# Altium PCB MyNixie - Release.PcbDoc (part 2 of 2)
Units mm, origin at the board's own origin, x right, y up, seen from the top; angles counter-clockwise.
Board outline 180 x 70 mm, 2 copper layers (Top Layer, Bottom Layer); 216 components, 191 nets, 665 pads, 230 vias.
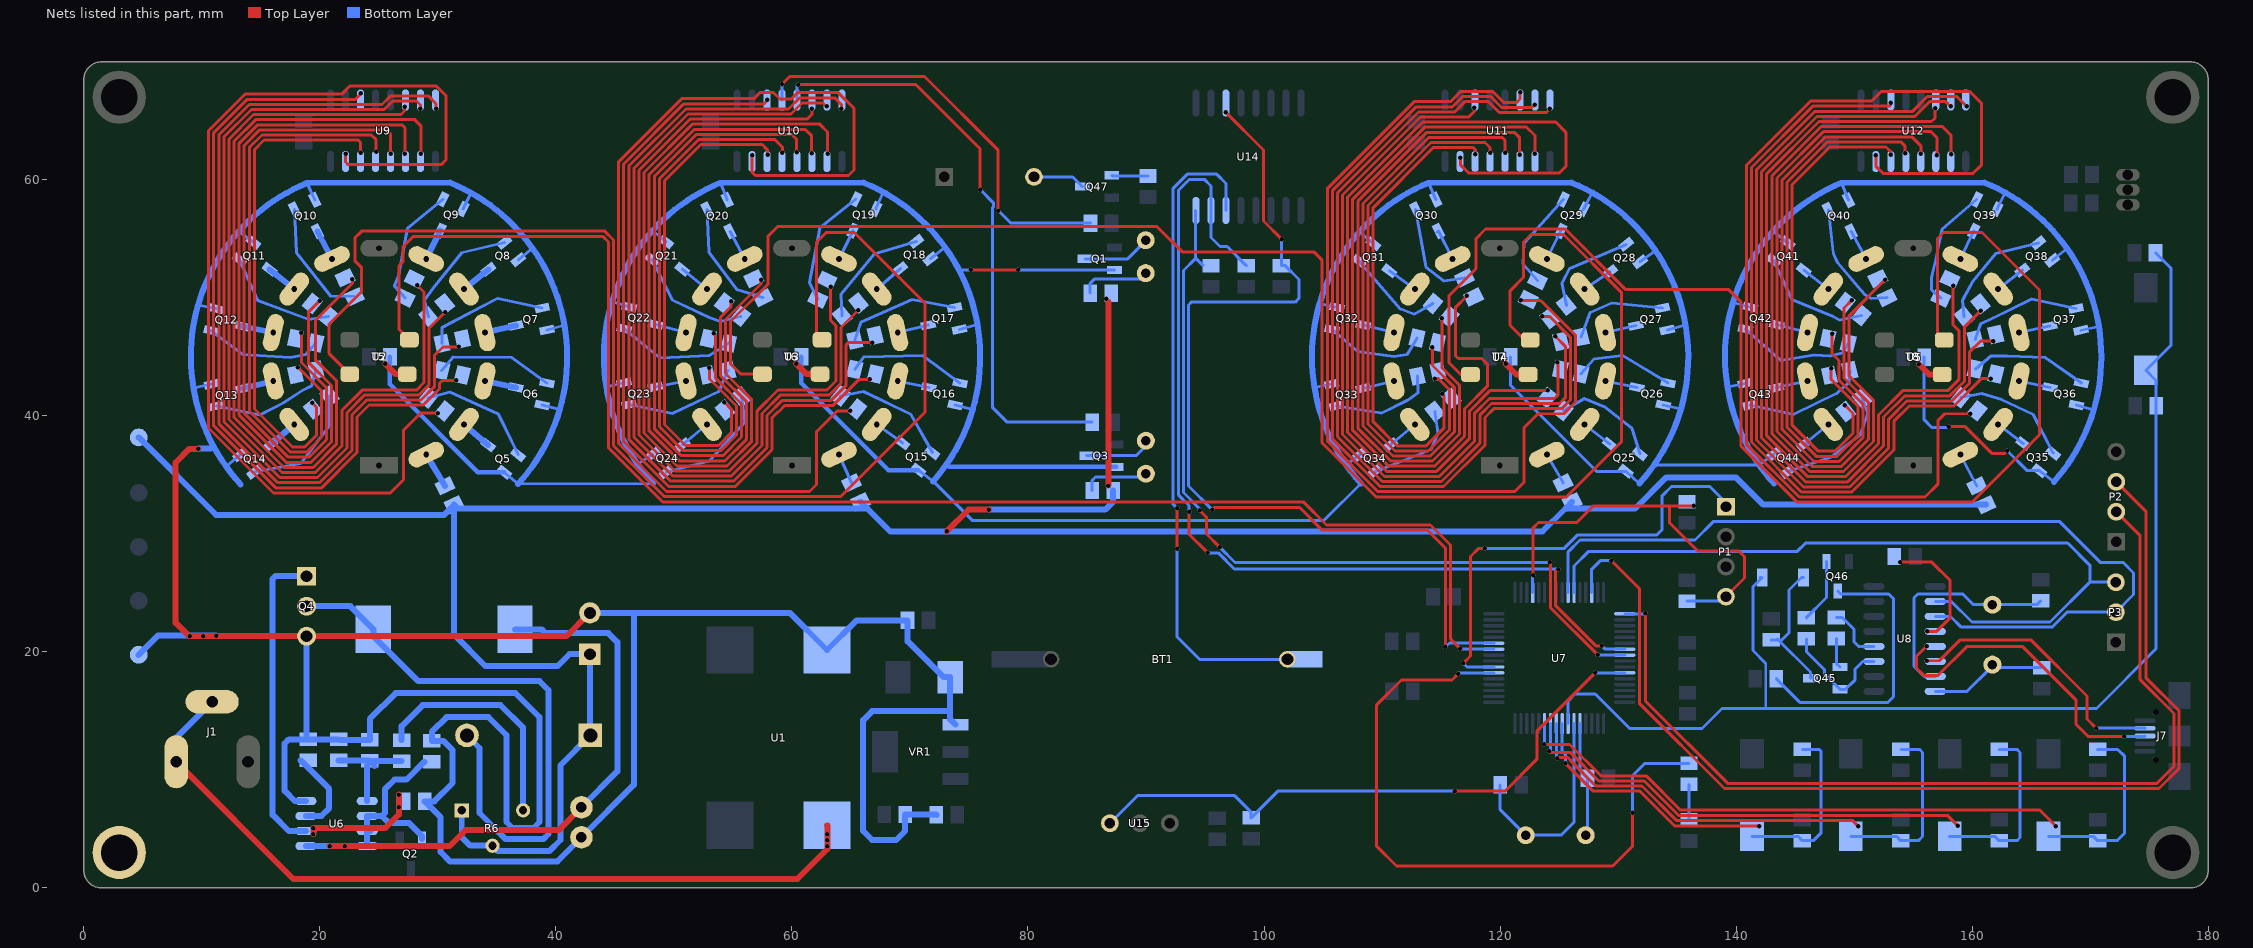
[diagram p2: the nets of this part, all layers, seen from the top]

## Via types
v1: diameter 0.381, hole 0.381, Top Layer to Bottom Layer, 230 vias

## Nets (pads, with @x,y where several pads share a name; then routed paths per layer and width w, separated by ;. In a path a pad name is that pad's centre, name@x,y a point inside that pad or via, vN(x,y) a via of type N, cw(c..) or ccw(c..) an arc to the next point about the centre after c; other vN are vias at no path point) (continued)
GND: C1.1 C2.1 C4.2 C5.2 C6.2 C7.2 C8.1 C9.2 C10.2 C11.1 C12.2 D1.2 GND.1 L2.1 Q1.2 Q3.2 Q4.S Q5.2 Q6.2 Q7.2 Q8.2 Q9.2 Q10.2 Q11.2 Q12.2 Q13.2 Q14.2 Q15.2 Q16.2 Q17.2 Q18.2 Q19.2 Q20.2 Q21.2 Q22.2 Q23.2 Q24.2 Q25.2 Q26.2 Q27.2 Q28.2 Q29.2 Q30.2 Q31.2 Q32.2 Q33.2 Q34.2 Q35.2 Q36.2 Q37.2 Q38.2 Q39.2 Q40.2 Q41.2 Q42.2 Q43.2 Q44.2 R2.1 R8.1 T3.1 U1.4 U2.3 U3.3 U4.3 U5.3 U6.4 VR1.1 | length 754.6
  Top Layer w0.254: v1(75.133,52.375) 75.143,52.365 v1(79.172,52.365) ; v1(158.039,39.091) 159.41,39.091 161.671,36.83 162.789,36.83 v1(162.992,37.033)
  Top Layer w0.508: v1(9.703,37.211) 8.941,37.211 7.785,36.055 7.785,22.466 8.915,21.336 Q4.S@18.872,21.336 40.899,21.336 C10.2@42.875,23.312 ; v1(25.552,44.399) 26.416,43.536 U2.3@27.407,43.536 ; v1(60.35,44.425) 61.239,43.536 U3.3@62.382,43.536 ; v1(120.472,44.425) 121.387,43.51 U4.3@122.377,43.51 ; v1(155.499,44.374) 156.362,43.51 U5.3@157.465,43.51
  Bottom Layer w0.254: 9.282,42.365 Q13.2@10.813,42.685 ; 9.683,49.416 Q12.2@11.21,49.083 ; 12.065,35.712 Q14.2@13.239,36.717 ; 13.121,55.633 Q11.2@14.372,54.71 ; 18.911,59.735 Q10.2@19.567,58.307 ; Q9.2@32.132,57.534 32.814,58.896 ; Q5.2@35.615,35.232 36.803,34.248 48.217,34.278 ; Q8.2@36.825,53.224 38.029,54.192 ; Q6.2@38.828,40.934 40.328,40.559 ; Q7.2@39.251,47.282 40.724,47.681 ; 44.267,42.464 Q23.2@45.763,42.812 ; 44.762,49.678 Q22.2@46.211,49.236 ; 46.926,35.896 Q24.2@48.189,36.743 ; 48.193,55.712 Q21.2@49.348,54.735 ; 53.935,59.744 Q20.2@54.517,58.307 ; Q19.2@67.108,57.534 67.742,58.953 ; Q15.2@70.718,35.409 71.966,34.455 ; Q18.2@71.724,53.3 72.98,54.288 ; 71.966,34.454 75.267,31.153 105.088,31.153 108.213,34.278 ; D1.2@73.127,17.856 D1.2@73.406,17.856 ; Q16.2@73.829,40.934 75.322,40.561 ; Q17.2@74.201,47.333 75.717,47.752 ; 74.254,52.177 74.453,52.375 v1(75.133,52.375) ; v1(79.172,52.365) Q1.2@87.331,52.365 ; 104.27,42.41 Q33.2@105.733,42.711 ; 104.713,49.533 Q32.2@106.181,49.185 ; 106.941,35.867 Q34.2@108.158,36.743 ; 108.08,55.592 Q31.2@109.267,54.583 ; 113.93,59.744 Q30.2@114.563,58.333 ; C6.2@120.905,45.009 120.905,42.569 128.167,35.308 Q25.2@130.662,35.308 131.799,34.273 ; Q29.2@127.077,57.508 127.823,58.914 ; Q28.2@131.872,53.046 133.17,54.008 ; 133.067,35.86 141.949,35.857 Q44.2@143.196,36.768 ; Q26.2@133.824,40.934 135.325,40.587 ; Q27.2@134.17,47.282 135.721,47.698 ; 139.263,42.464 Q43.2@140.77,42.761 ; 139.739,49.615 Q42.2@141.218,49.21 ; 143.142,55.66 Q41.2@144.38,54.659 ; 148.931,59.744 Q40.2@149.524,58.282 ; C7.2@155.942,44.983 155.942,39.663 156.591,39.014 157.963,39.014 v1(158.039,39.091) ; Q39.2@162.089,57.508 162.81,58.922 ; v1(162.992,37.033) 164.666,35.359 Q35.2@165.699,35.359 166.921,34.407 ; Q38.2@166.797,53.173 168.048,54.187 ; Q36.2@168.836,40.934 170.302,40.507 ; Q37.2@169.233,47.256 170.742,47.583
  Bottom Layer w0.381: C5.2@25.934,45.009 25.934,42.671 33.374,35.232 Q5.2@35.615,35.232 ; C4.2@60.809,45.009 60.809,42.773 68.172,35.409 Q15.2@70.718,35.409 ; 73.203,35.814 73.34,35.677 Q3.2@87.478,35.677
  Bottom Layer w0.508: GND.1@4.648,19.761 6.274,21.387 v1(11.201,21.387) ; v1@9.703,37.236 10.784,37.236 10.978,37.431 ; 13.287,34.201 cw(c24.994,45.009) 10.978,37.431 ; U6.4@18.812,7.366 17.882,7.366 17.018,8.23 17.018,12.243 17.375,12.599 C9.2@18.999,12.599 ; Q4.S@18.872,21.336 18.872,12.726 C9.2@18.999,12.599 ; C8.1@21.59,12.599 C9.2@18.999,12.599 ; C8.1@21.641,12.549 R2.1@24.232,12.549 24.232,14.326 26.416,16.51 36.576,16.51 38.608,14.478 38.608,5.588 38.1,5.08 36.322,5.08 35.814,5.588 35.814,12.954 34.29,14.478 30.734,14.478 29.489,13.233 C11.1@29.489,12.472 30.454,12.472 31.242,11.684 31.242,8.89 29.693,7.341 R8.1@28.881,7.341 30.226,5.995 30.226,3.048 31.013,2.261 40.132,2.261 C12.2@42.164,4.293 46.609,8.738 46.609,23.236 46.685,23.312 ; 36.803,34.248 ccw(c24.994,44.983) 40.328,40.559 ccw(c24.994,44.983) 40.724,47.681 ccw(c24.994,44.983) 38.029,54.192 ccw(c24.994,44.983) 32.814,58.896 ccw(c24.994,44.983) 31.018,59.762 18.911,59.735 ccw(c24.994,45.009) 13.121,55.633 ccw(c24.994,45.009) 9.683,49.416 ccw(c24.994,45.009) 9.282,42.365 ccw(c24.994,45.009) 10.978,37.431 ; C10.2@42.875,23.312 46.685,23.312 ; 48.217,34.278 cw(c59.995,45.009) 46.926,35.896 cw(c59.995,45.009) 44.267,42.464 cw(c59.995,45.009) 44.762,49.678 cw(c59.995,45.009) 48.193,55.712 cw(c59.995,45.009) 53.935,59.744 66.05,59.775 ; 66.05,59.775 cw(c59.995,45.009) 72.98,54.288 cw(c59.995,45.009) 74.254,52.177 cw(c59.995,45.009) 75.717,47.752 cw(c59.995,45.009) 75.322,40.561 cw(c59.995,45.009) 71.966,34.454 ; C1.1@72.237,6.198 72.211,6.223 C2.1@69.597,6.223 69.597,4.827 68.834,4.064 66.802,4.064 66.04,4.826 66.04,14.224 66.802,14.986 73.406,14.986 ; D1.2@73.127,17.856 72.847,17.856 69.798,20.905 L2.1@69.798,22.682 65.481,22.682 U1.4@62.967,20.168 59.822,23.312 46.685,23.312 ; D1.2@73.406,17.856 73.406,14.986 ; VR1.1@73.866,13.832 73.406,14.291 73.406,14.986 ; 108.213,34.278 cw(c119.99,45.009) 106.941,35.867 cw(c119.99,45.009) 104.27,42.41 cw(c119.99,45.009) 104.713,49.533 cw(c119.99,45.009) 108.08,55.592 cw(c119.99,45.009) 113.93,59.744 126.044,59.775 ; 126.044,59.775 cw(c119.99,45.009) 127.823,58.914 cw(c119.99,45.009) 133.17,54.008 cw(c119.99,45.009) 135.721,47.698 cw(c119.99,45.009) 135.325,40.587 cw(c119.99,45.009) 133.067,35.86 cw(c119.99,45.009) 131.799,34.273 ; 143.23,34.26 cw(c154.991,45.009) 139.263,42.464 cw(c154.991,45.009) 139.739,49.615 cw(c154.991,45.009) 143.142,55.66 cw(c154.991,45.009) 148.931,59.744 161.046,59.775 ; 161.046,59.775 cw(c154.991,45.009) 162.81,58.922 cw(c154.991,45.009) 168.048,54.187 cw(c154.991,45.009) 170.742,47.583 cw(c154.991,45.009) 170.302,40.507 cw(c154.991,45.009) 166.921,34.407
  other v1: 8.966,21.336 10.135,21.336
HX1838: R71.1 U7.59 U15.1 | length 52.2
  Top Layer w0.254: v1(116.154,8.204) 120.421,8.204 123.114,10.897 123.114,13.273 v1(128.072,18.232)
  Bottom Layer w0.254: U15.1@86.944,5.486 89.281,7.823 97.511,7.823 98.908,6.426 R71.1@98.908,5.945 101.167,8.204 v1(116.154,8.204) ; v1@128.041,18.263 v1(128.072,18.232) U7.59@130.569,18.232
INT#/SQW: R69.1 U7.27 U14.3 | length 80.3
  Top Layer w0.254: v1(95.606,32.055) 95.783,32.233 103.022,32.233 104.94,30.315 113.855,30.315 115.367,28.804 v1(115.367,20.422) ; v1(96.749,65.735) 99.949,62.535 99.949,56.515 v1(101.498,54.966)
  Bottom Layer w0.254: v1(95.606,32.055) 93.6,34.06 93.6,49.404 93.828,49.632 102.641,49.632 102.972,49.962 102.972,51.562 101.802,52.731 R69.1@101.473,52.731 101.498,52.757 v1(101.498,54.966) ; v1(115.367,20.422) 115.71,20.764 119.469,20.764 U7.27@119.469,20.732
KEY1: C27.2 R65.2 S2.2 U7.8 | length 37
  Top Layer w0.254: v1(125.527,10.566) 127.889,8.204 131.851,8.204 134.823,5.232 v1(141.961,5.232)
  Bottom Layer w0.254: U7.8@125.269,13.932 125.269,11.586 125.527,11.328 v1(125.527,10.566) ; S2.2@141.351,4.379 145.247,4.379 C27.2@145.618,4.008 146.547,4.008 147.213,4.674 147.213,11.563 147.025,11.751 R65.2@145.618,11.751
KEY2: C28.2 R66.2 S3.2 U7.9 | length 46.4
  Top Layer w0.254: v1(124.841,10.973) 124.93,11.062 125.732,11.062 126.022,10.772 126.022,10.731 128.118,8.636 132.03,8.636 134.939,5.728 149.847,5.728 v1(150.343,5.232)
  Bottom Layer w0.254: U7.9@124.769,13.932 124.769,11.045 v1(124.841,10.973) ; S3.2@149.725,4.379 153.586,4.379 C28.2@153.958,4.008 155.442,4.008 155.804,4.369 155.804,11.481 155.534,11.751 R66.2@153.958,11.751
KEY3: C29.2 R67.2 S4.2 U7.10 | length 54.9
  Top Layer w0.254: v1(124.181,11.582) 124.269,11.493 125.945,11.493 128.371,9.068 132.209,9.068 135.117,6.159 157.899,6.159 v1(158.775,5.283)
  Bottom Layer w0.254: v1(124.181,11.582) 124.269,11.671 U7.10@124.269,13.932 ; S4.2@158.098,4.379 161.926,4.379 C29.2@162.298,4.008 163.799,4.008 164.059,4.267 164.059,11.481 163.789,11.751 R67.2@162.298,11.751
KEY4: C30.2 R68.2 S5.2 U7.11 | length 63.9
  Top Layer w0.254: v1(123.749,12.167) 125.882,12.167 128.549,9.5 132.388,9.5 135.296,6.591 165.748,6.591 v1(167.107,5.232)
  Bottom Layer w0.254: v1(123.749,12.167) 123.769,12.187 U7.11@123.769,13.932 ; S5.2@166.472,4.379 170.266,4.379 C30.2@170.637,4.008 172.283,4.008 172.923,4.648 172.923,11.151 172.364,11.709 172.314,11.709 172.272,11.751 R68.2@170.637,11.751
LAMP: P1.1 U7.23 | length 38.7
  Top Layer w0.254: v1(116.891,19.05) 117.5,19.66 117.5,28.092 118.186,28.778 v1(118.694,28.778)
  Bottom Layer w0.254: v1(116.891,19.05) 117.209,18.732 U7.23@119.469,18.732 ; v1(118.694,28.778) 125.45,28.778 126.593,29.921 133.299,29.921 133.706,30.328 133.706,33.198 134.518,34.011 137.77,34.011 139.141,32.639 P1.1@139.141,32.309
LED_DEBUG: R10.2 U7.22 | length 57.3
  Top Layer w0.254: v1(116.459,18.161) 115.926,17.628 111.658,17.628 109.55,15.519 109.55,3.531 111.227,1.854 129.54,1.854 131.242,3.556 v1(131.242,6.375)
  Bottom Layer w0.254: v1(116.459,18.161) 116.53,18.232 U7.22@119.469,18.232 ; v1(131.242,6.375) 131.242,9.525 132.284,10.567 R10.2@136.017,10.567
METALKEY: C3.2 P1.4 R1.2 U7.36 | length 36.4
  Top Layer w0.254: v1(122.809,26.518) 122.809,30.527 123.257,30.975 126.509,30.975 127.92,32.385 134.341,32.385 ; v1(136.423,32.385) 134.341,32.385 ; P1.4@139.141,24.689 140.716,26.264 140.716,28.067 140.233,28.55 136.754,28.55 134.341,30.963 134.341,32.385
  Bottom Layer w0.254: U7.36@122.769,25.032 122.769,26.477 v1(122.809,26.518) ; C3.2@135.839,24.299 138.751,24.299 P1.4@139.141,24.689
NetBT1_1: BT1.1 U14.14 | length 55.8
  Top Layer w0.254: v1(92.634,28.727) v1(92.634,32.182)
  Bottom Layer w0.254: v1(92.634,28.727) 92.634,21.285 94.539,19.38 BT1.1@101.981,19.38 ; v1(92.634,32.182) 92.305,32.511 92.305,59.285 93.497,60.477 95.987,60.477 96.774,59.69 U14.14@96.774,57.41
NetC8_2: C8.2 R2.2 R3.1 U6.5 | length 8.9
  Bottom Layer w0.508: C8.2@21.59,10.819 24.181,10.819 R2.2@24.232,10.769 R2.2@24.257,10.743 ; U6.5@24.012,7.366 R2.2@24.012,10.353 ; R2.2@24.647,10.353 R2.2@24.257,10.743 ; R3.1@26.924,10.743 R2.2@24.257,10.743
NetC9_1: C9.1 U6.3 | length 7.3
  Bottom Layer w0.508: C9.1@18.364,10.819 20.777,8.406 20.777,6.756 20.117,6.096 U6.3@18.812,6.096
NetC11_2: C11.2 C12.1 L1.1 Q2.2 U6.1 U6.6 U6.7 U6.8 | length 67.3
  Top Layer w0.508: v1(20.828,3.556) v1(22.098,3.556) 30.988,3.556 32.334,4.902 40.234,4.902 C12.1@42.164,6.833
  Bottom Layer w0.508: U6.1@18.812,3.556 v1(20.828,3.556) ; v1(22.098,3.556) U6.8@24.012,3.556 ; U6.7@24.308,4.826 U6.7@24.012,4.826 ; 25.197,3.556 U6.8@24.012,3.556 ; Q2.2@28.661,4.146 28.661,4.384 27.534,5.512 25.832,5.512 25.248,6.096 ; C11.2@28.854,10.692 27.357,9.195 26.34,9.195 25.502,8.357 25.502,6.35 25.248,6.096 ; L1.1@36.531,21.92 38.786,21.92 39.116,21.59 44.45,21.59 45.212,20.828 45.212,9.881 C12.1@42.164,6.833 ; U6.8@24.012,3.556 U6.7@24.012,4.826 ; U6.7@24.012,4.826 U6.6@24.012,6.096 25.248,6.096
NetC13_2: C13.2 U7.5 Y1.1 | length 9.8
  Bottom Layer w0.254: U7.5@126.769,13.932 126.769,9.933 C13.2@127.405,9.296 127.405,4.622 Y1.1@127.254,4.47
NetC14_2: C14.2 U7.6 Y1.2 | length 18.1
  Bottom Layer w0.254: C14.2@120.014,8.738 120.014,6.63 Y1.2@122.174,4.47 125.171,4.47 126.269,5.568 U7.6@126.269,13.932
NetC23_1: C23.1 U8.4 | length 10.4
  Top Layer w0.254: v1(153.924,27.61) 156.591,27.61 158.115,26.086 158.115,22.86 156.997,21.742 v1(156.21,21.742)
NetC24_1: C24.1 U8.7 Y2.1 | length 19.4
  Bottom Layer w0.254: U8.7@156.88,17.932 155.931,17.932 155.067,18.796 155.067,24.587 155.397,24.917 159.207,24.917 160.122,24.003 Y2.1@161.722,24.003 165.482,24.003 C24.1@165.811,24.332
NetC25_1: C25.1 U8.8 Y2.2 | length 9.8
  Bottom Layer w0.254: U8.8@156.88,16.662 159.563,16.662 161.57,18.67 C25.1@165.887,18.67
NetD2_1: D2.1 L1.2 Q4.D | length 49.9
  Bottom Layer w0.508: Q4.D@18.872,23.876 22.575,23.876 L1.2@24.531,21.92 24.531,21.336 28.341,17.526 38.608,17.526 39.37,16.764 39.37,4.572 38.964,4.166 35.712,4.166 33.528,6.35 33.528,11.864 D2.1@32.464,12.929
NetD3_K: D3.K R10.1 | length 3
  Bottom Layer w0.254: D3.K@136.017,5.767 R10.1@136.017,8.787
NetD4_2: D4.2 Q45.3 R16.1 | length 11.5
  Bottom Layer w0.254: R16.1@142.977,21.03 R16.1@143.561,21.03 ; R16.1@143.485,21.106 R16.1@143.561,21.03 ; D4.2@145.717,26.314 145.542,26.314 144.475,25.248 144.475,21.615 143.89,21.03 R16.1@143.561,21.03 ; Q45.3@146.299,17.78 146.299,18.292 R16.1@143.561,21.03
NetJ1_2: J1.2 J1.3 U1.1 | length 68.7
  Top Layer w0.508: J1.2@7.823,10.693 17.755,0.762 60.452,0.762 62.992,3.302 62.992,5.283 62.967,5.309
  Bottom Layer w0.508: J1.2@7.823,10.693 7.823,12.725 J1.3@10.871,15.773
  other v1: 62.992,3.556 62.992,4.064 62.992,4.572
NetJ8_2: J8.2 Q47.3 | length 4.5
  Bottom Layer w0.254: J8.2@80.533,60.223 J8.2@80.508,60.249 83.789,60.249 Q47.3@84.602,59.436
NetQ1_3: Q1.3 UP1.2 | length 5.8
  Bottom Layer w0.254: Q1.3@84.831,53.315 88.443,53.315 89.972,54.844 UP1.2@89.972,54.889
NetQ3_3: Q3.3 UP2.2 | length 5.8
  Bottom Layer w0.254: Q3.3@84.978,36.627 89.154,36.627 89.992,37.465 UP2.2@89.992,37.897
NetQ4_G: Q4.G R8.2 U6.2 | length 36.2
  Top Layer w0.508: v1(19.456,4.572) v1(19.456,5.08) 25.552,5.08 26.695,6.223 v1(26.695,7.899)
  Bottom Layer w0.508: U6.2@18.812,4.826 17.374,4.826 16.002,6.198 16.002,26.187 16.231,26.416 Q4.G@18.872,26.416
  other v1: 26.67,6.858
NetQ5_3: Q5.3 T5.3 | length 2.7
  Bottom Layer w0.508: T5.3@32.212,39.273 Q5.3@34.253,37.533
NetQ6_3: Q6.3 T5.4 | length 2.7
  Bottom Layer w0.508: T5.4@33.988,42.962 Q6.3@36.602,42.417
NetQ7_3: Q7.3 T5.5 | length 2.7
  Bottom Layer w0.508: T5.5@33.988,47.056 Q7.3@36.602,47.652
NetQ8_3: Q8.3 T5.6 | length 2.7
  Bottom Layer w0.508: T5.6@32.212,50.745 Q8.3@34.278,52.408
NetQ9_3: Q9.3 T5.7 | length 2.7
  Bottom Layer w0.508: T5.7@29.011,53.298 Q9.3@30.192,55.694
NetQ10_3: Q10.3 T5.9 | length 2.6
  Bottom Layer w0.508: Q10.3@19.796,55.643 T5.9@21.027,53.298
NetQ11_3: Q11.3 T5.10 | length 2.7
  Bottom Layer w0.508: Q11.3@15.735,52.408 T5.10@17.826,50.745
NetQ12_3: Q12.3 T5.11 | length 2.7
  Bottom Layer w0.508: Q12.3@13.436,47.601 T5.11@16.05,47.056
NetQ13_3: Q13.3 T5.12 | length 2.7
  Bottom Layer w0.508: Q13.3@13.461,42.315 T5.12@16.05,42.962
NetQ14_3: Q14.3 T5.13 | length 2.7
  Bottom Layer w0.508: Q14.3@15.786,37.533 T5.13@17.826,39.273
NetQ15_3: Q15.3 T6.3 | length 2.7
  Bottom Layer w0.254: T6.3@67.186,39.273 Q15.3@69.355,37.711
NetQ16_3: Q16.3 T6.4 | length 2.7
  Bottom Layer w0.254: T6.4@68.963,42.962 Q16.3@71.603,42.417
NetQ17_3: Q17.3 T6.5 | length 2.7
  Bottom Layer w0.254: T6.5@68.963,47.056 Q17.3@71.552,47.702
NetQ18_3: Q18.3 T6.6 | length 2.6
  Bottom Layer w0.254: T6.6@67.186,50.745 Q18.3@69.177,52.484
NetQ19_3: Q19.3 T6.7 | length 2.7
  Bottom Layer w0.254: T6.7@63.985,53.298 Q19.3@65.167,55.694
NetQ20_3: Q20.3 T6.9 | length 2.7
  Bottom Layer w0.254: Q20.3@54.746,55.643 T6.9@56.002,53.298
NetQ21_3: Q21.3 T6.10 | length 2.7
  Bottom Layer w0.254: Q21.3@50.71,52.434 T6.10@52.801,50.745
NetQ22_3: Q22.3 T6.11 | length 2.7
  Bottom Layer w0.254: Q22.3@48.437,47.753 T6.11@51.024,47.056
NetQ23_3: Q23.3 T6.12 | length 2.7
  Bottom Layer w0.254: Q23.3@48.412,42.442 T6.12@51.024,42.962
NetQ24_3: Q24.3 T6.13 | length 2.7
  Bottom Layer w0.254: Q24.3@50.736,37.559 T6.13@52.801,39.273
NetQ25_3: Q25.3 T7.3 | length 2.7
  Bottom Layer w0.254: T7.3@127.169,39.273 Q25.3@129.299,37.609
NetQ26_3: Q26.3 T7.4 | length 2.7
  Bottom Layer w0.254: T7.4@128.945,42.962 Q26.3@131.598,42.417
NetQ27_3: Q27.3 T7.5 | length 2.6
  Bottom Layer w0.254: T7.5@128.945,47.056 Q27.3@131.522,47.652
NetQ28_3: Q28.3 T7.6 | length 2.6
  Bottom Layer w0.254: T7.6@127.169,50.745 Q28.3@129.325,52.23
NetQ29_3: Q29.3 T7.7 | length 2.6
  Bottom Layer w0.254: T7.7@123.968,53.298 Q29.3@125.137,55.668
NetQ30_3: Q30.3 T7.9 | length 2.7
  Bottom Layer w0.254: Q30.3@114.639,55.592 Q30.3@114.645,55.582 ; Q30.3@114.792,55.668 T7.9@115.984,53.298
NetQ31_3: Q31.3 T7.10 | length 2.6
  Bottom Layer w0.254: Q31.3@110.629,52.281 T7.10@112.783,50.745
NetQ32_3: Q32.3 T7.11 | length 2.7
  Bottom Layer w0.254: Q32.3@108.407,47.702 T7.11@111.006,47.056
NetQ33_3: Q33.3 T7.12 | length 2.7
  Bottom Layer w0.254: Q33.3@108.381,42.34 T7.12@111.006,42.962
NetQ34_3: Q34.3 T7.13 | length 2.7
  Bottom Layer w0.254: Q34.3@110.705,37.559 T7.13@112.783,39.273
NetQ35_3: Q35.3 T8.3 | length 2.7
  Bottom Layer w0.254: T8.3@162.205,39.273 Q35.3@164.336,37.66
NetQ36_3: Q36.3 T8.4 | length 2.7
  Bottom Layer w0.254: T8.4@163.981,42.962 Q36.3@166.61,42.417
NetQ37_3: Q37.3 T8.5 | length 2.7
  Bottom Layer w0.254: T8.5@163.981,47.056 Q37.3@166.584,47.626
NetQ38_3: Q38.3 T8.6 | length 2.6
  Bottom Layer w0.254: T8.6@162.205,50.745 Q38.3@164.25,52.357
NetQ39_3: Q39.3 T8.7 | length 2.6
  Bottom Layer w0.254: T8.7@159.003,53.298 Q39.3@160.149,55.668
NetQ40_3: Q40.3 T8.9 | length 2.6
  Bottom Layer w0.254: Q40.3@149.752,55.617 T8.9@151.02,53.298
NetQ41_3: Q41.3 T8.10 | length 2.6
  Bottom Layer w0.254: Q41.3@145.742,52.357 T8.10@147.819,50.745
NetQ42_3: Q42.3 T8.11 | length 2.7
  Bottom Layer w0.254: Q42.3@143.444,47.728 T8.11@146.042,47.056
NetQ43_3: Q43.3 T8.12 | length 2.8
  Bottom Layer w0.254: Q43.3@143.418,42.391 143.383,42.418 143.412,42.424 T8.12@146.042,42.962
NetQ44_3: Q44.3 T8.13 | length 3.1
  Bottom Layer w0.254: Q44.3@146.13,37.584 Q44.3@145.742,37.584 T8.13@147.819,39.273
NetQ45_1: Q45.1 R17.2 | length 2.5
  Bottom Layer w0.254: R17.2@148.488,21.132 148.488,19.04 Q45.1@148.799,18.73
NetQ45_2: Q45.2 R30.1 U8.11 | length 9.9
  Bottom Layer w0.254: R30.1@145.948,21.106 145.948,20.041 147.472,18.517 147.472,18.156 Q45.2@148.799,16.83 149.281,16.83 150.063,17.612 150.063,18.517 150.749,19.202 U8.11@151.68,19.202
NetQ46_1: Q46.1 R30.2 | length 5.5
  Bottom Layer w0.254: R30.2@145.948,22.886 147.665,24.603 Q46.1@147.665,27.666
NetQ46_3: Q46.3 R61.2 | length 24.3
  Bottom Layer w0.254: R61.2@143.409,17.729 145.441,15.697 152.832,15.697 153.34,16.205 153.34,24.511 152.933,24.917 148.864,24.917 Q46.3@148.615,25.166
NetQ47_1: Q47.1 R70.2 | length 3.1
  Bottom Layer w0.254: Q47.1@87.102,60.386 87.162,60.326 R70.2@90.17,60.326
NetR3_2: R3.2 R6.3 | length 20
  Bottom Layer w0.508: R3.2@26.924,12.523 26.924,13.716 28.702,15.494 35.306,15.494 37.22,13.58 R6.3@37.22,6.579
NetR4_1: R4.1 UP1.1 | length 5.9
  Bottom Layer w0.254: R4.1@85.267,50.394 85.267,51.231 85.623,51.587 89.464,51.587 UP1.1@89.972,52.095
NetR5_1: R5.1 T6.2 | length 2.6
  Bottom Layer w0.254: T6.2@63.985,36.72 R5.1@65.044,34.33
NetR7_1: R7.1 T5.2 | length 3.1
  Bottom Layer w0.508: T5.2@29.011,36.72 R7.1@30.602,34.076
NetR9_1: R9.1 UP2.1 | length 5.6
  Bottom Layer w0.254: R9.1@85.445,33.68 85.445,34.543 85.725,34.823 89.713,34.823 UP2.1@89.992,35.103
NetR12_1: R12.1 T7.2 | length 2.8
  Bottom Layer w0.254: T7.2@123.968,36.72 R12.1@125.344,34.33
NetR13_1: R13.1 T8.2 | length 3
  Bottom Layer w0.254: T8.2@159.003,36.72 R13.1@160.396,34.076
NetR17_1: R17.1 U8.12 | length 4.8
  Bottom Layer w0.254: R17.1@148.488,22.912 148.995,22.912 149.987,21.92 149.987,20.853 150.368,20.472 U8.12@151.68,20.472
NetR18_1: R18.1 U9.15 | length 89.1
  Top Layer w0.254: v1(22.174,62.205) 22.174,61.519 22.403,61.29 30.277,61.29 30.683,61.697 30.683,67.132 29.845,67.97 22.555,67.97 21.844,67.259 13.66,67.259 10.566,64.166 10.566,38.984 16.073,33.477 25.959,33.477 27.076,34.595 27.076,38.786 28.524,40.234 v1(29.972,40.234)
NetR19_1: R19.1 U10.15 | length 89.6
  Top Layer w0.254: v1(56.617,62.103) 56.617,60.655 56.896,60.376 64.795,60.376 65.253,60.833 65.253,66.065 63.932,67.386 60.476,67.386 59.943,66.853 58.979,66.853 58.445,67.386 57.277,67.386 56.769,66.878 50.663,66.878 45.314,61.528 45.314,37.659 49.368,33.604 61.493,33.604 62.078,34.188 62.078,38.659 63.856,40.437 v1(64.948,40.437)
NetR20_1: R20.1 U11.15 | length 76.9
  Top Layer w0.254: v1(116.637,61.874) 116.637,61.29 117.348,60.579 125.019,60.579 125.578,61.138 125.578,64.033 124.714,64.897 113.442,64.897 107.086,58.542 107.086,38.603 110.383,35.306 114.63,35.306 117.424,38.1 117.424,40.41 119.178,42.164 v1(124.028,42.164)
NetR21_1: R21.1 U12.15 | length 89.1
  Top Layer w0.254: v1(151.841,62.103) 151.841,61.163 152.451,60.554 160.071,60.554 160.807,61.29 160.807,66.472 159.791,67.488 152.298,67.488 151.486,66.675 146.32,66.675 140.868,61.224 140.868,37.608 145.355,33.122 156.007,33.122 157.099,34.214 157.099,39.599 157.683,40.183 v1(159.842,40.183)
NetR22_2: R22.2 U9.3 | length 67.3
  Top Layer w0.254: v1(23.47,67.361) 23.47,67.285 23.012,66.827 13.839,66.827 10.998,63.987 10.998,39.163 16.252,33.909 20.146,33.909 23.152,36.915 23.152,39.913 24.159,40.919 28.756,40.919 30.124,42.288 30.124,42.748 30.378,43.002 v1(31.572,43.002)
NetR23_1: R23.1 U9.14 | length 42.1
  Top Layer w0.254: v1(19.355,41.097) 19.698,40.754 19.698,38.346 18.716,37.363 17.683,37.363 14.453,40.593 14.453,62.556 15.27,63.373 23.241,63.373 23.444,63.17 v1(23.444,62.281)
NetR24_2: R24.2 U10.3 | length 65.7
  Top Layer w0.254: v1(57.912,66.777) 57.912,66.726 57.633,66.446 50.842,66.446 45.745,61.349 45.745,37.838 49.547,34.036 55.221,34.036 58.318,37.134 58.318,39.849 58.804,40.335 58.852,40.335 59.411,40.894 63.503,40.894 65.713,43.104 v1(66.573,43.104)
NetR25_1: R25.1 U10.14 | length 40.9
  Top Layer w0.254: v1(54.28,41.148) 54.864,40.564 54.864,38.565 53.79,37.49 50.978,37.49 49.2,39.268 49.2,59.919 52.273,62.992 57.48,62.992 57.912,62.56 57.912,62.154 v1(57.937,62.128)
NetR26_2: R26.2 U11.3 | length 61.4
  Top Layer w0.254: v1(117.831,66.091) 117.831,65.811 117.348,65.329 113.263,65.329 106.655,58.721 106.655,38.424 110.204,34.874 114.858,34.874 117.856,37.872 117.856,40.231 119.103,41.478 124.612,41.478 124.892,41.758 124.892,44.501 v1(124.866,44.526)
NetR27_1: R27.1 U11.14 | length 39.8
  Top Layer w0.254: v1(115.113,41.859) 115.265,41.707 115.265,38.994 113.736,37.465 111.277,37.465 109.245,39.497 109.245,57.647 114.336,62.738 117.729,62.738 117.907,62.56 v1(117.907,62.179)
NetR28_2: R28.2 U12.3 | length 64.8
  Top Layer w0.254: v1(153.086,66.523) 153.086,66.345 152.984,66.243 146.499,66.243 141.3,61.045 141.3,37.787 145.534,33.553 149.81,33.553 153.365,37.108 153.365,39.545 154.664,40.843 158.474,40.843 160.785,43.155 v1(161.569,43.155)
NetR29_1: R29.1 U12.14 | length 39.9
  Top Layer w0.254: v1(149.2,40.919) 149.911,40.208 149.911,38.539 148.379,37.008 146.964,37.008 144.755,39.218 144.755,59.614 147.93,62.789 152.705,62.789 153.111,62.382 v1(153.111,62.128)
NetR31_1: R31.1 U9.13 | length 49.5
  Top Layer w0.254: v1(18.136,44.12) 20.13,42.126 20.13,38.167 18.894,36.932 17.504,36.932 14.021,40.415 14.021,62.735 15.091,63.805 24.359,63.805 24.765,63.398 v1(24.765,62.382)
NetR32_2: R32.2 U10.4 | length 35.9
  Top Layer w0.254: v1(59.157,68.097) 59.817,68.758 71.222,68.758 77.47,62.509 v1(77.47,57.404)
  Bottom Layer w0.254: U10.4@59.157,66.76 59.182,66.786 59.157,66.811 v1(59.157,68.097) ; v1(77.47,57.404) 78.537,56.337 R32.2@85.297,56.337
NetR33_1: R33.1 U10.13 | length 48.1
  Top Layer w0.254: v1(53.01,44.094) 53.01,43.118 55.296,40.832 55.296,38.386 53.969,37.059 50.799,37.059 48.768,39.09 48.768,60.097 52.094,63.424 58.547,63.424 59.182,62.789 v1(59.182,62.281)
NetR34_1: R34.1 U11.13 | length 45.3
  Top Layer w0.254: v1(114.452,43.155) 114.783,43.155 115.697,42.24 115.697,38.815 113.915,37.033 111.099,37.033 108.814,39.318 108.814,57.826 114.157,63.17 118.72,63.17 119.151,62.738 v1(119.151,62.306)
NetR35_1: R35.1 U12.13 | length 47.3
  Top Layer w0.254: v1(148.057,44.018) 148.057,43.078 150.343,40.792 150.343,38.36 148.558,36.576 146.786,36.576 144.323,39.039 144.323,59.793 147.751,63.221 153.949,63.221 154.33,62.84 v1(154.33,62.255)
NetR36_1: R36.1 U9.12 | length 56.5
  Top Layer w0.254: v1(18.44,47.066) 18.44,44.515 20.561,42.394 20.561,37.988 19.073,36.5 17.325,36.5 13.589,40.236 13.589,62.914 14.912,64.237 25.654,64.237 25.984,63.906 v1(25.984,62.23)
NetR37_2: R37.2 U10.5 | length 50.5
  Top Layer w0.254: v1(60.554,68.072) 70.485,68.072 75.946,62.611 v1(75.946,59.182)
  Bottom Layer w0.254: U10.5@60.427,66.76 60.427,68.047 60.452,68.072 v1(60.554,68.072) ; v1(75.946,59.182) 77.064,58.064 77.064,57.698 76.975,57.609 76.975,40.729 78.232,39.472 R37.2@85.445,39.472
NetR38_1: R38.1 U10.12 | length 54.9
  Top Layer w0.254: v1(53.365,46.99) 53.505,46.85 53.505,43.234 55.728,41.011 55.728,38.207 54.148,36.627 50.62,36.627 48.336,38.911 48.336,60.276 51.915,63.856 59.969,63.856 60.401,63.424 v1(60.401,62.357)
NetR39_1: R39.1 U11.12 | length 52
  Top Layer w0.254: v1(114.275,45.822) 114.275,44.273 116.129,42.419 116.129,38.637 114.094,36.601 110.92,36.601 108.382,39.139 108.382,58.005 113.978,63.602 120.167,63.602 120.421,63.348 v1(120.421,62.306)
NetR40_1: R40.1 U12.12 | length 54.1
  Top Layer w0.254: v1(148.133,46.965) 148.133,45.288 148.717,44.704 148.717,43.029 150.774,40.971 150.774,38.181 148.737,36.144 146.607,36.144 143.891,38.86 143.891,59.972 147.572,63.652 154.889,63.652 155.651,62.89 v1(155.651,62.205)
NetR41_2: R41.2 U9.6 | length 71.8
  Top Layer w0.254: v1(27.178,66.192) 27.178,65.837 26.873,65.532 14.375,65.532 12.294,63.45 12.294,39.699 16.788,35.204 19.61,35.204 21.857,37.451 21.857,40.45 23.622,42.215 28.219,42.215 28.829,42.824 28.829,50.495 v1(28.27,51.054)
NetR42_1: R42.1 U9.11 | length 63.4
  Top Layer w0.254: v1(19.99,49.759) 19.025,48.793 19.025,44.542 20.993,42.573 20.993,37.809 19.252,36.068 17.146,36.068 13.157,40.057 13.157,63.093 14.733,64.668 26.949,64.668 27.203,64.414 v1(27.203,62.205)
NetR43_2: R43.2 U10.6 | length 70.4
  Top Layer w0.254: v1(61.697,66.015) 61.697,65.557 61.29,65.151 51.379,65.151 47.041,60.813 47.041,38.374 50.084,35.331 54.684,35.331 57.023,37.67 57.023,40.386 58.826,42.189 62.967,42.189 63.729,42.951 63.729,47.65 63.271,48.108 v1(63.271,50.927)
NetR44_1: R44.1 U10.11 | length 61.9
  Top Layer w0.254: v1(54.839,49.733) 54.839,49.251 53.937,48.349 53.937,43.413 56.159,41.19 56.159,38.028 54.326,36.195 50.441,36.195 47.904,38.732 47.904,60.455 51.737,64.287 61.112,64.287 61.671,63.729 v1(61.671,62.255) v1@61.697,62.23
NetR45_2: R45.2 U11.6 | length 82.3
  Top Layer w0.254: v1(121.691,67.412) 121.691,66.853 121.412,66.573 120.297,66.573 119.382,67.488 116.66,67.488 115.796,66.624 112.726,66.624 105.359,59.257 105.359,37.887 109.668,33.579 121.234,33.579 122.047,34.392 122.047,39.014 123.215,40.183 125.402,40.183 126.39,41.171 126.39,46.839 123.445,49.784 v1(121.768,49.784)
NetR46_1: R46.1 U11.11 | length 58.1
  Top Layer w0.254: v1(115.062,48.26) 115.062,44.097 116.561,42.598 116.561,38.458 114.272,36.17 110.741,36.17 107.95,38.96 107.95,58.184 113.799,64.033 121.209,64.033 121.666,63.576 v1(121.666,62.128)
NetR47_2: R47.2 U12.6 | length 70
  Top Layer w0.254: v1(156.87,66.065) 156.87,65.253 156.566,64.948 147.035,64.948 142.596,60.508 142.596,38.323 146.07,34.849 149.274,34.849 152.07,37.645 152.07,40.081 154.127,42.139 157.937,42.139 158.902,43.104 158.902,47.193 158.394,47.701 v1(158.394,51.029)
NetR48_1: R48.1 U12.11 | length 61.2
  Top Layer w0.254: v1(149.809,49.809) 149.149,49.149 149.149,43.208 151.206,41.15 151.206,38.003 148.916,35.712 146.428,35.712 143.459,38.681 143.459,60.15 147.393,64.084 156.515,64.084 157.023,63.576 v1(157.023,62.103)
NetR49_2: R49.2 U9.7 | length 73.6
  Top Layer w0.254: v1(28.524,66.04) 28.524,66.345 28.181,66.688 26.175,66.688 25.451,65.964 14.196,65.964 11.862,63.629 11.862,39.52 16.609,34.773 19.789,34.773 22.289,37.272 22.289,40.271 23.801,41.783 28.398,41.783 29.261,42.646 29.261,47.447 v1(30.607,48.793)
NetR50_1: R50.1 U9.10 | length 69.8
  Top Layer w0.254: v1(22.758,51.587) 22.758,51.232 19.609,48.082 19.609,44.766 21.425,42.95 21.425,37.63 19.431,35.636 16.967,35.636 12.725,39.878 12.725,63.271 14.554,65.1 28.042,65.1 28.55,64.592 v1(28.55,62.23)
NetR51_2: R51.2 U10.7 | length 72.1
  Top Layer w0.254: v1(62.941,66.218) 62.636,66.523 60.858,66.523 59.919,65.583 51.2,65.583 46.609,60.992 46.609,38.195 49.905,34.9 54.863,34.9 57.455,37.491 57.455,40.207 59.005,41.758 63.145,41.758 64.16,42.773 64.16,47.498 v1(65.634,48.971)
NetR52_1: R52.1 U10.10 | length 68.4
  Top Layer w0.254: v1(57.379,51.537) 57.379,51.18 54.369,48.17 54.369,43.592 56.591,41.369 56.591,37.849 54.505,35.763 50.262,35.763 47.473,38.553 47.473,60.634 51.558,64.719 62.357,64.719 63.017,64.059 v1(63.017,62.23)
NetR53_2: R53.2 U11.7 | length 76.6
  Top Layer w0.254: v1(122.936,66.37) 122.707,66.142 120.118,66.142 119.203,67.056 116.839,67.056 115.975,66.192 112.905,66.192 105.791,59.078 105.791,38.066 109.847,34.011 115.215,34.011 118.72,37.515 118.72,39.874 119.46,40.615 125.223,40.615 125.959,41.35 125.959,46.66 124.181,48.438 v1(123.596,48.438)
NetR54_1: R54.1 U11.10 | length 66.6
  Top Layer w0.254: v1(117.196,50.165) 116.205,49.174 116.205,45.11 116.459,44.856 118.44,44.856 118.948,44.348 118.948,42.545 116.992,40.589 116.992,38.279 114.451,35.738 110.562,35.738 107.518,38.782 107.518,58.363 113.621,64.465 122.25,64.465 122.961,63.754 v1(122.961,62.205)
NetR55_2: R55.2 U12.7 | length 71.4
  Top Layer w0.254: v1(158.191,66.218) 158.166,66.218 157.759,66.624 156.388,66.624 155.143,65.38 146.856,65.38 142.164,60.687 142.164,38.144 145.891,34.417 149.453,34.417 152.502,37.466 152.502,39.902 154.306,41.707 158.116,41.707 159.334,42.925 159.334,47.523 v1(160.731,48.92)
NetR56_1: R56.1 U12.10 | length 67.5
  Top Layer w0.254: v1(152.629,51.537) 149.581,48.489 149.581,43.386 151.638,41.329 151.638,37.824 149.095,35.281 146.249,35.281 143.027,38.502 143.027,60.329 147.214,64.516 157.48,64.516 158.217,63.779 v1(158.217,62.154)
NetR57_2: R57.2 U9.8 | length 75.4
  Top Layer w0.254: v1(29.845,66.04) 29.845,66.446 29.172,67.12 25.996,67.12 25.272,66.396 14.018,66.396 11.43,63.808 11.43,39.341 16.431,34.341 19.968,34.341 22.72,37.094 22.72,40.092 23.98,41.351 28.577,41.351 29.693,42.467 29.693,45.11 30.429,45.847 v1(31.775,45.847)
NetR58_2: R58.2 U10.8 | length 74.7
  Top Layer w0.254: v1(64.186,66.04) 64.186,66.396 63.627,66.954 60.655,66.954 59.715,66.015 51.021,66.015 46.177,61.171 46.177,38.016 49.726,34.468 55.042,34.468 57.887,37.313 57.887,40.028 59.184,41.326 63.324,41.326 64.592,42.594 64.592,46.025 64.77,46.203 v1(66.802,46.203)
NetR59_2: R59.2 U11.8 | length 73.2
  Top Layer w0.254: v1(124.231,66.015) 123.927,65.71 119.939,65.71 119.024,66.624 117.018,66.624 116.154,65.761 113.084,65.761 106.223,58.899 106.223,38.245 110.025,34.442 115.037,34.442 118.288,37.694 118.288,40.053 119.282,41.046 125.044,41.046 125.527,41.529 125.527,45.898 v1(124.663,46.761)
NetR60_2: R60.2 U12.8 | length 73.4
  Top Layer w0.254: v1(159.537,66.218) 158.699,67.056 156.209,67.056 154.964,65.811 146.678,65.811 141.732,60.866 141.732,37.966 145.712,33.985 149.631,33.985 152.933,37.287 152.933,39.723 154.485,41.275 158.295,41.275 159.766,42.746 159.766,45.39 160.706,46.33 v1(161.773,46.33)
NetU2_2: U2.2 U3.4 | length 114.4
  Top Layer w0.254: U2.2@22.53,43.536 20.752,45.314 20.752,47.752 23.546,50.546 23.546,52.553 22.962,53.137 22.962,55.067 23.546,55.651 44.145,55.651 44.882,54.915 44.882,37.48 49.189,33.172 64.135,33.172 71.272,40.31 71.272,49.555 65.303,55.524 62.89,55.524 62.078,54.712 62.078,46.939 U3.4@62.56,46.457
NetU3_2: U3.2 U4.4 | length 141.3
  Top Layer w0.254: U3.2@57.506,43.536 55.677,43.536 54.8,44.412 54.8,47.991 57.988,51.179 57.988,55.245 58.776,56.032 90.932,56.032 93.066,53.899 104.216,53.899 104.927,53.188 104.927,37.708 109.489,33.147 125.628,33.147 130.277,37.795 130.277,50.47 125.374,55.372 122.631,55.372 121.996,54.737 121.996,51.74 120.828,50.571 120.828,47.701 122.098,46.431 U4.4@122.555,46.431
NetU4_2: U4.2 U5.4 | length 112.9
  Top Layer w0.254: U4.2@117.5,43.51 116.662,43.51 115.672,44.501 115.672,50.19 117.958,52.476 117.958,55.016 118.77,55.829 125.528,55.829 130.659,50.698 139.37,50.698 140.437,49.632 140.437,37.429 145.176,32.69 159.995,32.69 165.71,38.405 165.71,50.673 160.833,55.55 157.582,55.55 157.074,55.042 157.074,47.001 U5.4@157.643,46.431
RGB: U2.4 U7.26 | length 130.6
  Top Layer w0.254: U2.4@27.584,46.457 26.695,47.346 26.695,52.73 27.026,53.061 27.026,54.305 27.94,55.22 43.966,55.22 44.45,54.736 44.45,37.301 49.036,32.715 103.327,32.715 105.296,30.747 114.109,30.747 115.799,29.058 115.799,21.107 v1(116.637,20.269) v1@116.738,20.269
  Bottom Layer w0.254: v1(116.637,20.269) 116.674,20.232 U7.26@119.469,20.232
RST: C18.2 D4.1 R15.2 S1.1 U7.7 | length 103.4
  Bottom Layer w0.254: U7.7@125.769,13.932 125.769,15.863 126.34,16.434 128.067,16.434 130.988,13.513 137.109,13.513 138.811,15.215 170.536,15.215 175.591,20.27 R15.2@175.591,40.869 175.591,43.001 S1.1@174.727,43.866 176.835,45.974 176.835,52.528 C18.2@175.54,53.823 ; D4.1@142.037,26.314 D4.1@142.217,26.314 141.427,25.524 141.427,20.117 142.514,19.03 142.514,15.24
RX1: P3.3 U7.43 U8.2 | length 66.4
  Bottom Layer w0.254: U7.43@126.269,25.032 126.269,27.285 127.508,28.524 145.186,28.524 145.898,29.235 168.097,29.235 169.977,27.356 169.977,25.908 ; U8.2@156.88,24.282 158.242,24.282 159.995,22.53 166.599,22.53 169.977,25.908 ; P3.3@172.187,25.908 169.977,25.908
SCL: R63.2 U7.56 U14.16 | length 71.5
  Top Layer w0.254: v1(94.539,32.004) 95.123,31.42 95.123,29.997 v1(96.241,28.88) ; v1(124.231,27.584) 124.257,27.559 124.257,23.774 v1(128.27,19.761)
  Bottom Layer w0.254: U14.16@94.214,57.41 94.214,53.36 ; v1(94.539,32.004) 94.539,32.132 93.168,33.503 93.168,52.314 94.214,53.36 ; R63.2@94.843,52.731 94.214,53.36 ; v1(96.241,28.88) 97.536,27.584 v1(124.231,27.584) ; v1(128.27,19.761) 128.299,19.732 U7.56@130.569,19.732
SDA: R64.2 U7.55 U14.15 | length 84.3
  Top Layer w0.254: v1(93.65,31.877) 93.65,29.972 v1(95.225,28.397) ; v1(124.917,27.026) 124.689,26.797 124.689,23.953 128.119,20.523 v1(128.626,20.523)
  Bottom Layer w0.254: v1(93.65,31.877) 93.65,32.41 92.736,33.324 92.736,59.106 93.676,60.046 94.945,60.046 95.504,59.487 U14.15@95.504,57.41 95.504,55.118 96.266,54.356 96.877,54.356 R64.2@98.501,52.731 ; v1(95.225,28.397) 96.113,28.397 97.484,27.026 v1(124.917,27.026) ; v1(128.626,20.523) 128.917,20.232 U7.55@130.569,20.232
SWCLK: P2.2 U7.49 | length 81.1
  Top Layer w0.254: v1(132.309,23.266) 132.309,15.85 139.294,8.865 175.666,8.865 177.114,10.312 177.114,14.783 174.244,17.653 174.244,29.845 P2.2@172.212,31.877
  Bottom Layer w0.254: U7.49@130.569,23.232 v1@132.309,23.232
SWDIO: P2.3 U7.46 | length 92.9
  Top Layer w0.254: v1(129.438,27.737) 131.801,25.375 131.801,15.646 139.014,8.433 175.845,8.433 177.546,10.134 177.546,14.986 174.752,17.78 174.752,31.877 P2.3@172.212,34.417
  Bottom Layer w0.254: U7.46@127.769,25.032 127.769,27.007 128.499,27.737 v1(129.438,27.737)
TUBE1-0: Q5.1 R18.2 | length 10.3
  Bottom Layer w0.254: R18.2@29.175,41.525 31.013,42.037 35.128,40.157 Q5.1@36.799,36.717
TUBE1-1: Q14.1 R23.2 | length 10.5
  Bottom Layer w0.254: Q14.1@14.423,35.232 18.361,35.976 20.788,39.125 R23.2@20.813,41.677
TUBE1-2: Q13.1 R31.2 | length 10.2
  Bottom Layer w0.254: Q13.1@11.235,40.833 14.91,40.081 16.924,41.124 18.542,42.164 19.289,42.538 R31.2@19.664,43.886
TUBE1-3: Q12.1 R36.2 | length 10
  Bottom Layer w0.254: Q12.1@10.787,47.231 13.462,45.212 17.526,44.958 18.796,45.212 R36.2@19.664,46.182
TUBE1-4: Q11.1 R42.2 | length 10.1
  Bottom Layer w0.254: Q11.1@13.188,53.224 14.732,49.784 18.999,48.184 R42.2@20.736,48.416
TUBE1-5: Q10.1 R50.2 | length 10.4
  Bottom Layer w0.254: Q10.1@17.855,57.483 18.009,53.848 20.904,50.14 R50.2@22.916,50.1
TUBE1-6: Q9.1 R41.1 | length 10.3
  Bottom Layer w0.254: R41.1@27.224,49.998 26.314,51.029 26.721,52.045 27.432,55.905 Q9.1@30.42,58.358
TUBE1-7: Q8.1 R49.1 | length 10.3
  Bottom Layer w0.254: R49.1@29.2,48.391 28.854,49.784 29.591,50.825 32.004,53.823 Q8.1@35.64,54.71
TUBE1-8: Q7.1 R57.1 | length 10.5
  Bottom Layer w0.254: R57.1@30.349,46.132 30.353,47.498 35.077,49.962 Q7.1@38.828,49.134
TUBE1-9: Q6.1 R22.1 | length 10.1
  Bottom Layer w0.254: R22.1@30.324,43.861 31.293,44.983 36.271,44.933 Q6.1@39.251,42.787
TUBE2-0: Q15.1 R19.2 | length 10.1
  Bottom Layer w0.254: R19.2@64.125,41.703 66.065,42.062 70.079,40.132 Q15.1@71.902,36.895
TUBE2-1: Q24.1 R25.2 | length 10.4
  Bottom Layer w0.254: Q24.1@49.374,35.257 53.01,36.195 56.032,39.497 R25.2@55.712,41.601
TUBE2-2: Q23.1 R33.2 | length 10.1
  Bottom Layer w0.254: Q23.1@46.186,40.96 49.86,40.208 53.823,42.088 R33.2@54.563,43.861
TUBE2-3: Q22.1 R38.2 | length 10
  Bottom Layer w0.254: Q22.1@45.789,47.383 48.819,44.907 53.01,45.136 R38.2@54.639,46.157
TUBE2-4: Q21.1 R44.2 | length 10.1
  Bottom Layer w0.254: Q21.1@48.164,53.25 49.886,49.809 52.984,48.336 53.946,47.995 R44.2@55.661,48.442
TUBE2-5: Q20.1 R52.2 | length 9.9
  Bottom Layer w0.254: Q20.1@52.805,57.483 52.959,53.873 55.321,50.724 R52.2@57.536,50.024
TUBE2-6: Q19.1 R43.1 | length 10.2
  Bottom Layer w0.254: R43.1@62.199,49.897 61.468,51.308 62.382,55.956 Q19.1@65.396,58.358
TUBE2-7: Q18.1 R51.1 | length 10
  Bottom Layer w0.254: R51.1@64.252,48.467 64.16,50.317 66.98,53.721 Q18.1@70.54,54.786
TUBE2-8: Q17.1 R58.1 | length 10
  Bottom Layer w0.254: R58.1@65.325,46.411 65.862,47.955 70.18,49.86 Q17.1@73.778,49.185
TUBE2-9: Q16.1 R24.1 | length 10.3
  Bottom Layer w0.254: R24.1@65.325,43.937 66.065,45.009 71.12,45.11 Q16.1@74.252,42.787
TUBE3-0: Q25.1 R20.2 | length 9.1
  Bottom Layer w0.254: R20.2@125.384,40.441 127.152,41.478 128.854,40.767 131.191,38.938 Q25.1@131.846,36.793
TUBE3-1: Q34.1 R27.2 | length 8.6
  Bottom Layer w0.254: Q34.1@109.343,35.257 114.148,37.135 114.757,38.557 R27.2@114.468,40.39
TUBE3-2: Q33.1 R34.2 | length 8.8
  Bottom Layer w0.254: Q33.1@106.155,40.858 109.931,40.234 112.116,41.3 113.055,41.961 R34.2@113.001,43.363
TUBE3-3: Q32.1 R39.2 | length 8.7
  Bottom Layer w0.254: Q32.1@105.758,47.333 107.925,45.466 111.023,45.034 112.116,45.187 R39.2@112.975,46.604
TUBE3-4: Q31.1 R46.2 | length 8.4
  Bottom Layer w0.254: Q31.1@108.082,53.097 111.557,49.073 112.725,48.616 R46.2@114.315,49.526
TUBE3-5: Q30.1 R54.2 | length 8.7
  Bottom Layer w0.254: Q30.1@112.851,57.508 113.716,52.603 115.214,51.435 R54.2@116.987,51.678
TUBE3-6: Q29.1 R45.1 | length 8.6
  Bottom Layer w0.254: R45.1@123.17,51.475 121.945,52.857 122.047,54.661 Q29.1@125.366,58.333
TUBE3-7: Q28.1 R53.1 | length 8.5
  Bottom Layer w0.254: R53.1@125.613,49.374 125.247,51.232 125.908,52.502 Q28.1@130.687,54.532
TUBE3-8: Q27.1 R59.1 | length 8.5
  Bottom Layer w0.254: R59.1@126.877,46.705 127.61,48.743 129.489,49.581 Q27.1@133.748,49.134
TUBE3-9: Q26.1 R26.1 | length 8.7
  Bottom Layer w0.254: R26.1@126.852,43.541 127.965,44.831 130.353,45.136 Q26.1@134.247,42.787
TUBE4-0: Q35.1 R21.2 | length 10.2
  Bottom Layer w0.254: R21.2@159.045,41.551 160.807,41.91 162.509,41.377 165.151,40.132 Q35.1@166.883,36.844
TUBE4-1: Q44.1 R29.2 | length 10.3
  Bottom Layer w0.254: Q44.1@144.38,35.283 147.955,36.474 150.546,38.405 151.155,40.234 R29.2@150.683,41.474
TUBE4-2: Q43.1 R35.2 | length 10.2
  Bottom Layer w0.254: Q43.1@141.192,40.909 144.882,40.132 148.539,41.91 149.581,42.85 R35.2@149.635,43.835
TUBE4-3: Q42.1 R40.2 | length 10.3
  Bottom Layer w0.254: Q42.1@140.795,47.358 143.789,44.704 146.609,45.161 147.955,45.06 148.996,45.314 R40.2@149.508,46.157
TUBE4-4: Q41.1 R48.2 | length 10
  Bottom Layer w0.254: Q41.1@143.196,53.173 144.729,49.86 148.234,48.412 148.808,48.112 R48.2@150.632,48.492
TUBE4-5: Q40.1 R56.2 | length 10.1
  Bottom Layer w0.254: Q40.1@147.812,57.458 148.234,53.797 148.59,52.984 150.317,50.952 150.927,50.267 151.435,49.962 R56.2@152.786,50.024
TUBE4-6: Q39.1 R47.1 | length 10.1
  Bottom Layer w0.254: R47.1@157.348,49.973 156.566,50.698 156.566,51.74 156.921,53.238 157.455,55.804 Q39.1@160.377,58.333
TUBE4-7: Q38.1 R55.1 | length 10
  Bottom Layer w0.254: R55.1@159.324,48.391 159.182,49.809 160.045,51.384 162.001,53.772 Q38.1@165.612,54.659
TUBE4-8: Q37.1 R60.1 | length 10
  Bottom Layer w0.254: R60.1@160.27,46.487 160.706,47.777 161.747,48.285 165.049,49.911 Q37.1@168.81,49.109
TUBE4-9: Q36.1 R28.1 | length 10.1
  Bottom Layer w0.254: R28.1@160.27,43.962 161.62,45.085 162.941,45.085 166.218,44.933 Q36.1@169.258,42.787
TX1: P3.2 U7.42 U8.3 | length 74.4
  Bottom Layer w0.254: U7.42@125.769,25.032 125.769,28.487 126.771,29.489 136.525,29.489 138.1,31.064 167.386,31.064 170.891,27.559 172.822,27.559 173.685,26.695 173.685,24.867 P3.2@172.187,23.368 168.047,23.368 166.777,22.098 159.08,22.098 158.166,23.012 U8.3@156.88,23.012
UD+: J7.3 U8.5 | length 27.2
  Top Layer w0.254: v1(156.159,20.498) 155.296,19.634 155.296,18.618 155.892,18.021 157.112,18.021 159.537,20.447 164.287,20.447 168.783,15.951 168.783,13.894 169.824,12.852 v1(172.898,12.852)
  Bottom Layer w0.254: v1(172.898,12.852) 174.625,12.852 J7.3@174.65,12.878
UD-: J7.2 U8.6 | length 23.5
  Top Layer w0.254: v1(156.159,19.253) 157.226,19.253 159.004,21.031 164.973,21.031 169.736,16.269 169.736,14.313 v1(170.51,13.538)
  Bottom Layer w0.254: v1(170.51,13.538) 174.64,13.538 J7.2@174.65,13.528
VH: C10.1 D2.2 R4.2 R5.2 R6.1 R6.2 R7.2 R9.2 R12.2 R13.2 VH.1 | length 249.4
  Top Layer w0.254: v1(86.614,49.936) 86.614,49.86 86.817,49.657
  Top Layer w0.508: v1(73.127,30.226) 74.955,32.055 v1(76.683,32.055) ; v1(86.817,34.087) 86.817,49.657
  Bottom Layer w0.508: VH.1@4.648,38.176 11.201,31.623 30.525,31.623 R7.2@31.374,32.472 ; R6.1@32.02,6.579 32.02,4.302 32.743,3.579 R6.2@34.62,3.579 35.049,3.15 39.472,3.15 40.386,4.064 40.386,10.391 D2.2@42.924,12.929 42.875,12.977 C10.1@42.875,19.812 41.148,19.812 40.132,18.796 34.036,18.796 31.374,21.458 R7.2@31.374,32.472 ; R5.2@65.817,32.726 66.386,32.156 ; v1(76.683,32.055) 86.538,32.055 87.225,32.742 R9.2@87.225,33.68 ; R12.2@126.116,32.726 125.546,32.156 ; R13.2@161.168,32.472 142.305,32.472 139.979,34.798 134.087,34.798 131.445,32.156 125.546,32.156 ; R7.2@31.374,32.472 31.69,32.156 66.386,32.156 ; 66.386,32.156 68.342,30.201 123.591,30.201 125.546,32.156
pads on no net: J7. J7.6 J7.7 J7.8 T5.1 T5.8 T6.1 T6.8 T7.1 T7.8 T8.1 T8.8 U5.2 U7.2 U7.3 U7.4 U7.21 U7.24 U7.25 U7.29 U7.30 U7.33 U7.34 U7.35 U7.37 U7.38 U7.39 U7.40 U7.41 U7.44 U7.45 U7.50 U7.51 U7.52 U7.53 U7.54 U7.57 U7.62 U8.9 U8.10 U8.13 U8.14 U8.15 U9.2 U9.4 U9.5 U10.2 U11.2 U11.4 U11.5 U12.2 U12.4 U12.5 U14.1 U14.4

## Polygon pours and split planes (outlines as drawn)
DGND on Bottom Layer "Bottom Layer-No Net" (solid, pour order 20): 0,59.08 168.656,59.08 169.012,58.725 169.062,58.674 169.062,31.267 71.806,31.267 70.663,31.267 70.663,30.124 70.663,14.376 70.663,0 73.99,0 76.352,0 131.877,0 180,0 180,70 0,70
GND on Bottom Layer "Bottom Layer-No Net" (solid, pour order 16): 0,59.055 170.072,58.998 170.072,31.033 169.799,30.728 71.495,30.728 71.266,30.728 71.095,30.728 70.942,30.728 70.936,30.398 70.936,20.466 70.936,0 0,0
GND on Top Layer "Bottom Layer-No Net" (solid, pour order 22): 0,58.841 169.195,58.917 169.272,58.841 169.068,58.638 169.068,31.104 71.304,31.104 70.612,31.104 70.567,29.961 69.85,0 5.715,0 0,0
DGND on Top Layer "Bottom Layer-No Net" (solid, pour order 18): 0,58.776 169.062,58.776 169.164,58.776 169.164,58.268 169.164,30.912 71.755,30.912 69.85,30.912 69.901,29.058 69.901,0 180,0 180,35 180,70 0,70

## Keep-outs
Keep-Out Layer:
  the board outline again, w0.254

## Silkscreen, mask and mechanical layers (free items; w line width, h text height)
Top Overlay:
  circle w0.254: c155.003,45.001 r15
  circle w0.254: c25.011,45.001 r3.5
  circle w0.254: c59.985,45.001 r3.5
  circle w0.254: c119.967,45.001 r3.5
  circle w0.254: c155.003,45.001 r3.5
  circle w0.254: c25,45 r15
  circle w0.254: c60,45 r15
  circle w0.254: c25,45 r0.1
  circle w0.254: c59.995,45.009 r0.092
  circle w0.254: c89.992,53.492 r0.025
  circle w0.254: c90,36.5 r0.025
  circle w0.254: c119.99,45.009 r0.025
  circle w0.254: c154.991,45.009 r0.036
Bottom Overlay:
  text "GD  CK  IO  5V" at 169.189,28.6 h1.52 r270
  text "KEY GD 3V  LAMP" at 140.919,23.952 h1.52 r270
  text "GD  TX  RX" at 169.189,19.939 h1.52 r270
  text "USART TO USB" at 177.546,18.288 h1.52 r270
Bottom Solder:
  text "HIGH VOLTAGE!" at 4.445,58.42 h2.03 r90
  text "BE CAREFUL!" at 6.731,58.42 h2.03 r90
  text "Designed By YYH" at 65.659,26.67 h2.03